# KiCad board q2v2.kicad_pcb (continued)
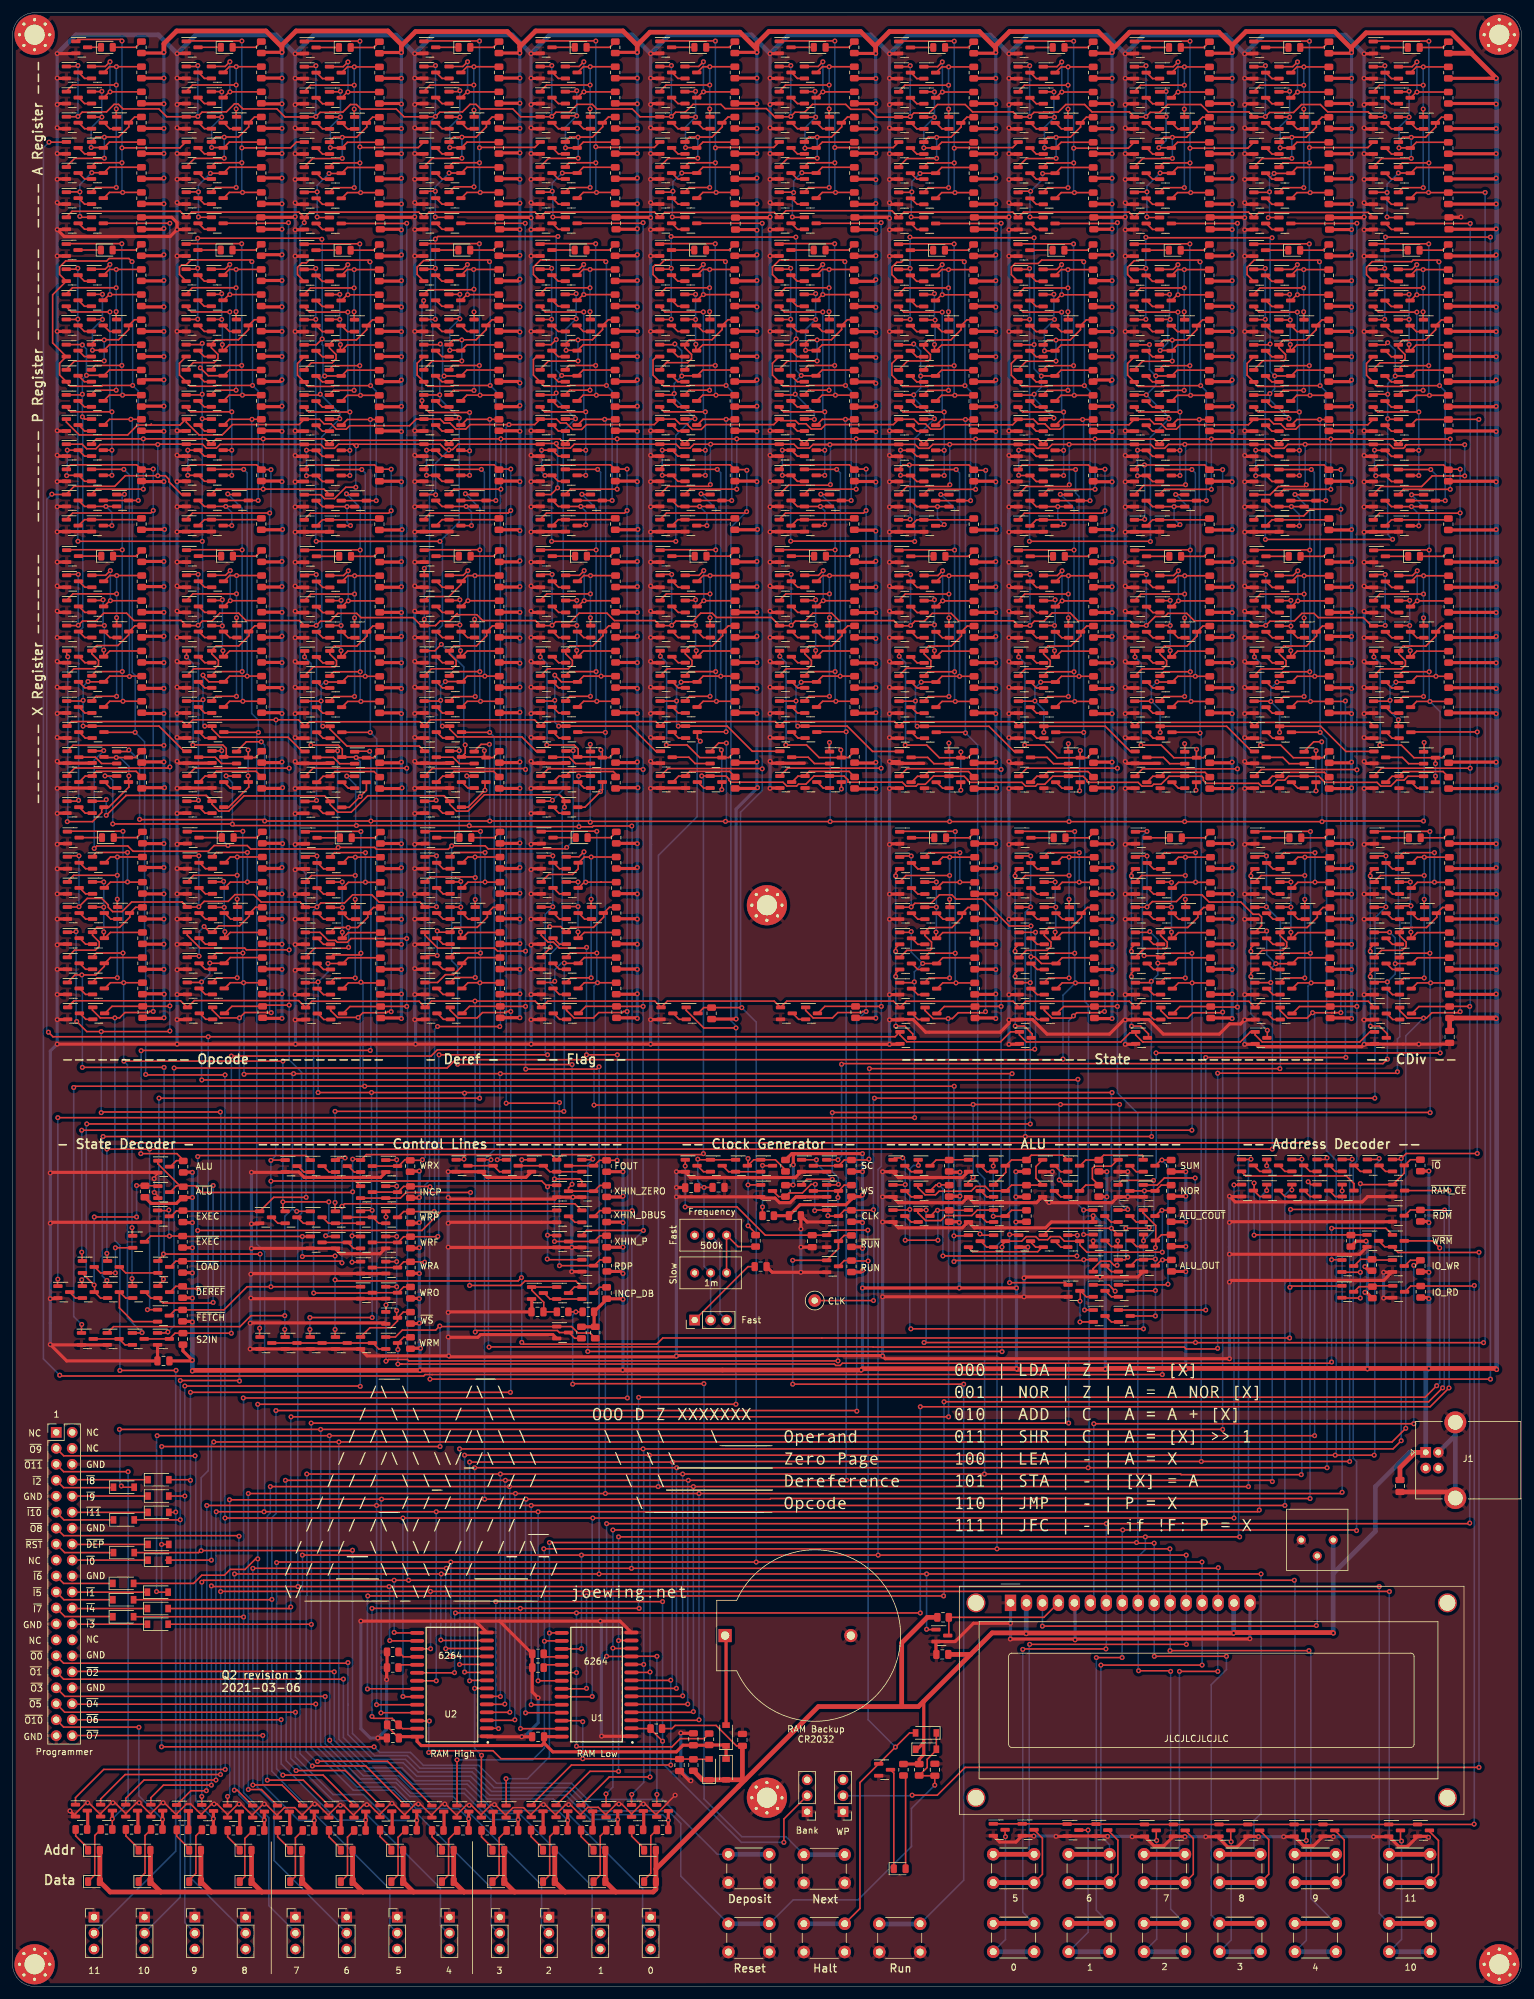
[diagram p0: board, top side]
## Routing (per net, layer and track width the routed paths; a pad name or vN(x,y) marks a point on that pad's centre or on a via; arc(x,y) is an arc through that point) (continued)
  Bottom w0.75: v1(210.1,56.23) 210.08,56.25 210.08,65.71 ; 210.08,65.71 RV3.3 ; 210.08,65.71 216.8,72.43 216.8,79.53 222.25,84.98 J1.1 224.8,97.83 v1(225.3,98.33) v1(225.3,109.43) ; v1(236,154) 236.08,154.07 ; v1(28.6,97.93) v1(28.6,99.63) v1(28.6,105.73) ; v1(194.25,56.23) 194.25,60.97 ; v1(236,303.6) 236.08,303.52 v1(236.08,98.15) ; 212.95,153.95 v1(213,154) ; v1(161.25,56.13) 161.25,60.99
/ALU/ALU_NOR: length 23.3
  Top w0.25: v1(177.1,120.63) 180.7,120.63 v1(180.8,120.73) ; v1(177.4,116.03) 177,115.63 Q502.1 ; R218.2 182.71,127.49 181.8,126.58 v1(180.05,126.58) 177.8,126.58
  Bottom w0.25: v1(177.1,120.63) 177.1,116.23 177.2,116.23 v1(177.4,116.03) ; 180,126.53 v1(180.05,126.58) 180.05,121.48 v1(180.8,120.73)
/ALU/ALU_SUM: length 31
  Top w0.25: 181.8,130.58 182.71,131.49 v1(182.84,131.49) R213.2 ; 175.85,111.63 183.7,111.63 v1(183.8,111.73)
  Bottom w0.25: v1(183.8,111.73) 183.8,130.53 v1(182.84,131.49)
/ALU/~{ALU_OUT}: length 33.1
  Top w0.25: 177.85,106.68 v1(181.8,106.68) ; v1(181.8,117.55) 181.85,117.6 181.85,118.68 ; 179.8,123.14 179.8,123.53 ; v1(181.8,110.73) 181.75,110.68 177.85,110.68 ; v1(181.8,115.73) 179.95,115.73 ; 181.85,118.68 182.76,119.59 R217.2 ; 181.85,118.68 181.85,121.09 ; Q494.1 179.86,123.04 181.85,121.05 ; 177.85,114.68 178.8,115.63 179.85,115.63
  Bottom w0.25: v1(181.8,117.55) v1(181.8,115.73) v1(181.8,110.73) v1(181.8,106.68)
/Bit 0/A Register/A DFF/~{Q}: length 20
  Top w0.25: R413.2 223.31,289.41 222.4,288.5 ; Q925.1 218.67,285.45 ; v1(218.65,281.53) 218.73,281.45 Q921.1 ; v1(220.45,288.53) 222.31,288.53
  Bottom w0.25: v1(218.65,281.53) 218.65,286.73 v1(220.45,288.53)
  vias: v1(218.65,285.43)
/Bit 0/AIN: length 55.1
  Top w0.25: v1(206.3,309.5) 206.27,309.52 197.48,309.52 ; v1(206.3,290.13) 202.09,290.13 201.4,289.45 ; 203.4,284.5 204.31,285.41 v1(206.41,285.41) R347.2 ; Q936.1 215.59,292.57 206.31,292.57 v1(206.3,292.58)
  Bottom w0.25: v1(206.41,285.41) 206.3,285.52 v1(206.3,290.13) v1(206.3,292.58) v1(206.3,309.5)
/Bit 0/P Register/P DFF/CLR: length 74.6
  Top w0.25: v1(227.9,236.4) 222.4,236.4 ; 216.38,255.29 217.11,254.57 221.09,254.57 221.22,254.7 v1(227,254.7) ; Q920.2 215.38,258.23 215.38,256.35 Q914.2 ; Q915.2 215.38,272.35 215.38,273.54 216.27,274.43 222.55,274.43 222.79,274.67 226.63,274.67 v1(226.9,274.4)
  Bottom w0.25: v1(226.9,274.4) 227,274.3 v1(227,254.7) 227.9,253.8 v1(227.9,236.4)
/Bit 0/P Register/P DFF/Q: length 44.5
  Top w0.25: 216.46,277.27 225.25,277.27 v1(225.28,277.24) ; 222.38,252.24 223.29,253.15 v1(225.39,253.15) R403.2 ; 220.38,257.19 221.07,257.88 v1(225.28,257.88)
  Bottom w0.25: v1(225.28,277.24) v1(225.28,257.88) 225.28,253.27 v1(225.39,253.15)
/Bit 0/P Register/P DFF/SET: length 43.7
  Top w0.25: v1(223.38,266.39) 217.28,266.39 216.38,267.29 ; 216.38,251.29 217.18,250.5 v1(223.7,250.5) ; 222.4,240.4 v1(223.7,240.4) ; v1(223.7,244.4) 222.4,244.4
  Bottom w0.25: v1(223.38,266.39) 223.38,250.81 v1(223.7,250.5) v1(223.7,244.4) v1(223.7,240.4)
/Bit 0/S Register/CLR: length 31.8
  Top w0.25: v1(215.98,160.69) 215.98,161.22 216.56,161.81 ; 216.56,165.81 215.98,165.22 v1(215.98,164.69) ; v1(216,152.8) 217.45,152.8 218.7,151.55 218.7,150.9 ; v1(215.98,176.69) 215.98,177.22 216.56,177.81
  Bottom w0.25: v1(216,152.8) 216,160.67 v1(215.98,160.69) v1(215.98,164.69) v1(215.98,176.69)
/Bit 0/X Register/X DFF/D: length 31.5
  Top w0.25: R417.2 227.44,195.5 226.4,195.5 ; v1(226.35,194.55) 226.34,194.56 Q939.3 222.93,195.5 220.93,197.5 v1(217.5,197.5) ; v1(216.55,211.53) 216.51,211.56 Q957.1 ; v1(226.35,192.57) 226.35,191.61
  Bottom w0.25: v1(217.5,197.5) 217.55,197.55 217.55,210.53 v1(216.55,211.53) ; v1(226.35,194.55) v1(226.35,192.57)
/Bit 0/~{P}: length 115.4
  Top w0.25: 222.38,256.24 223.29,257.15 R406.2 ; 197.38,265.19 199.23,265.19 v1(199.28,265.24) ; v1(218.75,261.53) 218.42,261.19 Q920.1 ; v1(199.3,230.23) 219.52,230.23 v1(219.53,230.24) 219.45,230.33 ; Q896.1 218.83,249.35 v1(218.75,249.43) ; v1(218.75,253.33) 216.58,253.33 ; 197.38,273.19 199.13,273.19 v1(199.28,273.34) ; v1(219.95,256.23) 219.96,256.24 Q912.3
  Bottom w0.25: 219,261.53 v1(218.75,261.53) 219.95,260.33 v1(219.95,256.23) 218.75,255.03 v1(218.75,249.43) 218.75,231.03 v1(219.53,230.24) ; v1(199.3,230.23) 199.28,230.25 v1(199.28,265.24) v1(199.28,273.34) 199.25,273.37
/Bit 0/~{XIN}: length 76.2
  Top w0.25: 203.45,207.54 204.36,208.45 v1(207.15,208.45) R359.2 ; 201.4,241.35 v1(206.6,241.35) ; Q943.1 212.1,196.5 208.1,200.5 Q821.1 201.56,199.54 v1(201.55,199.53) ; Q829.1 200.09,204.49 v1(200.15,204.43) ; v1(201.15,207.53) 203.38,207.53
  Bottom w0.25: v1(207.15,208.45) 207.08,208.52 207.08,240.87 v1(206.6,241.35) ; v1(201.55,199.53) 201.55,203.03 v1(200.15,204.43) 200.15,206.53 v1(201.15,207.53)
/Bit 1/A Register/A DFF/~{Q}: length 20.7
  Top w0.25: R350.2 204.31,289.41 203.4,288.5 ; Q804.1 199.77,281.45 v1(199.75,281.43) ; v1(199.95,285.53) 199.87,285.45 Q808.1 ; v1(200.68,288.46) 203.3,288.46
  Bottom w0.25: v1(200.68,288.46) 199.95,287.73 v1(199.95,285.53) 199.95,281.75 199.75,281.55 v1(199.75,281.43)
/Bit 1/AIN: length 55.2
  Top w0.25: v1(187.3,290.13) 183.09,290.13 182.4,289.45 ; R264.2 v1(187.41,285.41) 185.31,285.41 184.4,284.5 ; v1(187.3,309.5) 187.27,309.52 178.48,309.52 ; Q819.1 196.49,292.48 v1(187.3,292.48) 187.39,292.57
  Bottom w0.25: v1(187.41,285.41) 187.3,285.52 v1(187.3,290.13) v1(187.3,292.48) v1(187.3,309.5)
/Bit 1/P Register/P DFF/CLR: length 74.6
  Top w0.25: v1(208,254.7) 202.22,254.7 202.09,254.57 198.11,254.57 197.38,255.29 ; v1(208.9,236.4) 203.4,236.4 ; v1(207.9,274.4) 207.63,274.67 198.23,274.67 197.51,274.67 196.38,273.54 196.38,272.35 Q798.2 ; Q797.2 196.38,256.35 196.38,258.23 Q803.2
  Bottom w0.25: v1(208.9,236.4) 208.9,253.8 v1(208,254.7) 208,274.3 v1(207.9,274.4)
/Bit 1/P Register/P DFF/Q: length 44.5
  Top w0.25: R340.2 v1(206.39,253.15) 204.29,253.15 203.38,252.24 ; 201.38,257.19 202.07,257.88 v1(206.28,257.88) ; 197.46,277.27 206.25,277.27 v1(206.28,277.24)
  Bottom w0.25: v1(206.39,253.15) 206.28,253.27 v1(206.28,257.88) v1(206.28,277.24)
/Bit 1/P Register/P DFF/SET: length 43.7
  Top w0.25: 197.38,267.29 198.28,266.39 v1(204.38,266.39) ; 197.38,251.29 198.18,250.5 v1(204.7,250.5) ; 203.4,240.4 v1(204.7,240.4) ; v1(204.7,244.4) 203.4,244.4
  Bottom w0.25: v1(204.38,266.39) 204.38,250.81 v1(204.7,250.5) v1(204.7,244.4) v1(204.7,240.4)
/Bit 1/S Register/CLR: length 30.9
  Top w0.25: 197.56,161.81 196.98,161.22 v1(196.98,160.69) ; v1(196.98,176.69) 196.98,177.22 197.56,177.81 ; v1(196.98,164.69) 196.98,165.22 197.56,165.81 ; v1(199.6,152.13) 199.6,150.93
  Bottom w0.25: 197,160.67 v1(196.98,160.69) ; v1(196.98,160.69) v1(196.98,164.69) v1(196.98,176.69) ; v1(196.98,160.69) 196.98,154.75 v1(199.6,152.13)
/Bit 1/X Register/X DFF/D: length 36.5
  Top w0.25: 207.4,195.5 208.44,195.5 R354.2 ; v1(207.35,190.23) 207.35,191.58 ; Q840.1 197.51,211.56 v1(197.55,211.53) ; v1(207.35,196.63) 207.34,196.61 Q822.3 203.73,195.5 201.73,197.5 v1(198.5,197.5)
  Bottom w0.25: v1(198.5,197.5) 198.55,197.55 198.55,210.53 v1(197.55,211.53) ; v1(207.35,196.63) v1(207.35,190.23)
/Bit 1/~{P}: length 83.9
  Top w0.25: R343.2 204.29,257.15 203.38,256.24 ; 178.38,265.19 180.23,265.19 v1(180.28,265.24) ; v1(180.28,273.34) 180.13,273.19 178.38,273.19 ; v1(200.05,261.33) 199.91,261.19 Q803.1 ; v1(203.05,249.43) 201.54,249.43 ; v1(200,253.43) 199.77,253.19 Q792.1 ; 200.66,256.23 200.67,256.24 v1(200.76,256.24) Q795.3 ; v1(180.28,278.3) 180.35,278.23 v1(200.35,278.23) 200.25,278.33
  Bottom w0.25: v1(180.28,265.24) v1(180.28,273.34) v1(180.28,278.3) 180.25,278.33 ; v1(200.35,278.23) 200.05,277.93 v1(200.05,261.33) 200.05,256.96 v1(200.76,256.24) 200.76,254.19 v1(200,253.43) 200,252.47 v1(203.05,249.43)
/Bit 1/~{XIN}: length 76
  Top w0.25: R276.2 v1(188.15,208.45) 185.36,208.45 184.45,207.54 ; 182.4,241.35 v1(187.6,241.35) ; 197.13,196.5 193.13,200.5 Q641.1 182.56,199.54 v1(182.55,199.53) ; Q649.1 181.11,204.49 v1(181.15,204.53) ; Q652.3 182.11,207.54 v1(182.06,207.59)
  Bottom w0.25: 188.08,208.52 v1(188.15,208.45) 188.15,240.8 v1(187.6,241.35) ; v1(182.06,207.59) 181.15,206.68 v1(181.15,204.53) 182.55,203.13 v1(182.55,199.53)
/Bit 2/A Register/A DFF/~{Q}: length 20
  Top w0.25: 184.4,288.5 185.31,289.41 R267.2 ; Q624.1 180.53,281.45 v1(180.45,281.53) ; v1(180.45,285.53) 178.54,285.53 ; v1(182.55,288.53) 184.31,288.53
  Bottom w0.25: v1(182.55,288.53) 180.45,286.43 v1(180.45,285.53) v1(180.45,281.53)
/Bit 2/AIN: length 54.7
  Top w0.25: R183.2 v1(168.91,285.41) 166.81,285.41 165.9,284.5 ; v1(168.8,290.13) 164.59,290.13 163.9,289.45 ; 159.98,309.52 168.77,309.52 v1(168.8,309.5) ; Q639.1 177.49,292.48 v1(168.8,292.48) 168.89,292.57
  Bottom w0.25: v1(168.91,285.41) 168.8,285.52 v1(168.8,290.13) v1(168.8,292.48) v1(168.8,309.5)
/Bit 2/P Register/P DFF/CLR: length 74.6
  Top w0.25: v1(189,254.7) 183.22,254.7 183.09,254.57 179.11,254.57 178.38,255.29 ; 184.4,236.4 v1(189.9,236.4) ; v1(188.9,274.4) 188.63,274.67 179.23,274.67 179.13,274.57 178.41,274.57 177.38,273.54 177.38,272.35 Q618.2 ; Q623.2 177.38,258.23 177.38,256.35 Q617.2
  Bottom w0.25: v1(189.9,236.4) 189.9,253.8 v1(189,254.7) 189,274.3 v1(188.9,274.4)
/Bit 2/P Register/P DFF/Q: length 44.5
  Top w0.25: v1(187.28,257.88) 183.07,257.88 182.38,257.19 ; R257.2 v1(187.39,253.15) 185.29,253.15 184.38,252.24 ; 178.46,277.27 187.25,277.27 v1(187.28,277.24)
  Bottom w0.25: v1(187.39,253.15) 187.28,253.27 v1(187.28,257.88) v1(187.28,277.24)
/Bit 2/P Register/P DFF/SET: length 43.7
  Top w0.25: 184.4,240.4 v1(185.7,240.4) ; v1(185.7,244.4) 184.4,244.4 ; v1(185.7,250.5) 179.18,250.5 178.38,251.29 ; 178.38,267.29 179.28,266.39 v1(185.38,266.39)
  Bottom w0.25: v1(185.7,240.4) v1(185.7,244.4) v1(185.7,250.5) 185.38,250.81 v1(185.38,266.39)
/Bit 2/S Register/CLR: length 31.8
  Top w0.25: v1(177.98,160.69) 177.98,161.22 178.56,161.81 ; v1(178,152.8) 179.45,152.8 180.7,151.55 180.7,150.9 ; v1(177.98,164.69) 177.98,165.22 178.56,165.81 ; v1(177.98,176.69) 177.98,177.22 178.56,177.81
  Bottom w0.25: v1(178,152.8) 178,160.67 v1(177.98,160.69) v1(177.98,164.69) v1(177.98,176.69)
/Bit 2/X Register/X DFF/D: length 36.6
  Top w0.25: R271.2 189.44,195.5 188.4,195.5 ; v1(179.5,197.5) 182.73,197.5 184.73,195.5 Q642.3 188.34,196.81 v1(188.35,196.83) ; v1(178.55,211.53) 178.51,211.56 Q660.1 ; v1(188.25,190.33) 188.25,191.51
  Bottom w0.25: v1(179.5,197.5) 179.55,197.55 179.55,210.53 v1(178.55,211.53) ; v1(188.25,190.33) 188.25,196.73 v1(188.35,196.83)
/Bit 2/XOUT: length 55.7
  Top w0.25: 178.53,228.56 187.32,228.56 v1(187.35,228.54) ; 184.45,203.54 185.36,204.45 v1(187.46,204.45) R273.2 ; 182.45,208.49 183.14,209.17 v1(187.35,209.17) ; v1(185.02,237.37) 185.05,237.35 186.4,237.35
  Bottom w0.25: v1(187.46,204.45) 187.35,204.56 v1(187.35,209.17) v1(187.35,228.54) 187.35,235.08 187.32,235.08 v1(185.02,237.37)
/Bit 2/~{P}: length 116.4
  Top w0.25: 184.38,256.24 185.29,257.15 R260.2 ; v1(161.78,265.24) 161.73,265.19 159.88,265.19 ; 181.67,256.24 v1(181.87,256.24) Q615.3 ; v1(180.85,261.23) 180.81,261.19 Q623.1 ; v1(181,229.9) 180.97,229.93 v1(161.75,229.93) ; v1(161.78,273.34) 161.63,273.19 159.88,273.19 ; v1(183.95,249.43) 182.54,249.43 ; v1(180.35,253.23) 178.48,253.23
  Bottom w0.25: v1(161.78,273.34) v1(161.78,265.24) 161.78,229.96 v1(161.75,229.93) ; v1(180.85,261.23) 180.85,257.26 v1(181.87,256.24) 181.87,254.74 v1(180.35,253.23) 183.95,249.63 v1(183.95,249.43) 181,246.48 v1(181,229.9)
/Bit 2/~{XIN}: length 75.9
  Top w0.25: 163.9,241.35 v1(169.1,241.35) ; R195.2 v1(169.65,208.45) 166.86,208.45 165.95,207.54 ; Q646.1 177.83,196.5 173.83,200.5 Q442.1 164.06,199.54 v1(164.05,199.53) ; Q450.1 162.59,204.49 v1(162.62,204.53) ; Q453.3 163.56,207.54 v1(163.55,207.53)
  Bottom w0.25: 169.58,208.52 v1(169.65,208.45) 169.65,237.07 169.1,237.62 v1(169.1,241.35) ; v1(164.05,199.53) 164.05,203.1 v1(162.62,204.53) 162.62,206.6 v1(163.55,207.53)
/Bit 3/A Register/A DFF/~{Q}: length 20.3
  Top w0.25: 165.9,288.5 166.81,289.41 R186.2 ; v1(163.85,288.45) 165.79,288.45 ; v1(161.95,285.63) 160.14,285.63 Q429.1 ; v1(161.85,281.53) 161.93,281.45 Q425.1
  Bottom w0.25: v1(161.85,281.53) 161.85,285.53 v1(161.95,285.63) 163.85,287.53 v1(163.85,288.45)
/Bit 3/AIN: length 55.1
  Top w0.25: 144.9,289.45 145.59,290.13 v1(149.8,290.13) ; v1(149.8,309.5) 149.77,309.52 140.98,309.52 ; 146.9,284.5 147.81,285.41 v1(149.91,285.41) R105.2 ; v1(149.8,292.48) 149.89,292.57 159.09,292.57 Q440.1
  Bottom w0.25: v1(149.91,285.41) 149.8,285.52 v1(149.8,290.13) v1(149.8,292.48) v1(149.8,309.5)
/Bit 3/P Register/P DFF/CLR: length 74.6
  Top w0.25: 159.88,255.29 160.61,254.57 164.59,254.57 164.72,254.7 v1(170.5,254.7) ; 165.9,236.4 v1(171.4,236.4) ; Q418.2 158.88,256.35 158.88,258.23 Q424.2 ; v1(170.4,274.4) 170.13,274.67 163.69,274.67 163.15,274.13 159.47,274.13 158.88,273.54 158.88,272.35 Q419.2
  Bottom w0.25: v1(171.4,236.4) 171.4,253.8 v1(170.5,254.7) 170.5,274.3 v1(170.4,274.4)
/Bit 3/P Register/P DFF/Q: length 44.5
  Top w0.25: 159.96,277.27 168.75,277.27 v1(168.78,277.24) ; R176.2 v1(168.89,253.15) 166.79,253.15 165.88,252.24 ; v1(168.78,257.88) 164.57,257.88 163.88,257.19
  Bottom w0.25: v1(168.78,277.24) v1(168.78,257.88) 168.78,253.27 v1(168.89,253.15)
/Bit 3/P Register/P DFF/SET: length 43.7
  Top w0.25: 159.88,267.29 160.78,266.39 v1(166.88,266.39) ; v1(167.2,250.5) 160.68,250.5 159.88,251.29 ; v1(167.2,244.4) 165.9,244.4 ; 165.9,240.4 v1(167.2,240.4)
  Bottom w0.25: v1(166.88,266.39) 166.88,250.81 v1(167.2,250.5) v1(167.2,244.4) v1(167.2,240.4)
/Bit 3/S Register/CLR: length 31.8
  Top w0.25: v1(159.48,164.69) 159.48,165.22 160.06,165.81 ; v1(159.48,160.69) 159.48,161.22 160.06,161.81 ; 162.2,150.9 162.2,151.55 160.95,152.8 v1(159.5,152.8) ; 160.06,177.81 159.48,177.22 v1(159.48,176.69)
  Bottom w0.25: v1(159.48,176.69) v1(159.48,164.69) v1(159.48,160.69) 159.5,160.67 v1(159.5,152.8)
/Bit 3/X Register/X DFF/D: length 36.4
  Top w0.25: 169.9,195.5 170.94,195.5 R190.2 ; Q461.1 160.01,211.56 v1(160.05,211.53) ; v1(169.85,196.63) 169.84,196.61 Q443.3 166.17,195.5 164.17,197.5 v1(161,197.5) ; v1(169.75,190.23) 169.75,191.51
  Bottom w0.25: v1(161,197.5) 161.05,197.55 161.05,210.53 v1(160.05,211.53) ; v1(169.85,196.63) 169.75,196.53 v1(169.75,190.23)
/Bit 3/XOUT: length 55.5
  Top w0.25: v1(168.85,209.17) 164.64,209.17 163.95,208.49 ; 165.95,203.54 166.86,204.45 v1(168.96,204.45) R192.2 ; v1(168.85,228.54) 168.82,228.56 160.03,228.56 ; v1(166.67,237.4) 166.72,237.35 167.9,237.35
  Bottom w0.25: v1(168.96,204.45) 168.85,204.56 v1(168.85,209.17) v1(168.85,228.54) 168.85,235.22 v1(166.67,237.4)
/Bit 3/~{P}: length 83.2
  Top w0.25: 165.88,256.24 166.79,257.15 R179.2 ; 140.88,265.19 142.73,265.19 v1(142.78,265.24) ; v1(165.65,249.53) 164.14,249.53 Q400.1 ; Q413.1 162.37,253.19 v1(162.5,253.33) ; v1(162.5,278.23) 142.85,278.23 v1(142.75,278.33) ; 140.88,273.19 142.63,273.19 v1(142.78,273.34) ; Q416.3 163.66,256.24 v1(163.65,256.23) ; Q424.1 162.47,261.19 v1(162.5,261.23)
  Bottom w0.25: v1(142.78,265.24) v1(142.78,273.34) 142.78,278.3 v1(142.75,278.33) ; v1(165.65,249.53) 162.5,252.67 v1(162.5,253.33) 163.65,254.47 v1(163.65,256.23) 162.5,257.37 v1(162.5,261.23) 162.5,278.22 v1(162.5,278.23)
/Bit 3/~{XIN}: length 75.1
  Top w0.25: 144.9,241.35 v1(150.1,241.35) ; R117.2 v1(150.65,208.45) 147.86,208.45 146.95,207.54 ; v1(143.9,200.5) 155.33,200.5 159.33,196.5 Q447.1 ; Q280.3 144.56,207.54 v1(144.55,207.53) ; v1(143.62,204.53) 143.59,204.49 Q277.1
  Bottom w0.25: 150.58,208.52 v1(150.65,208.45) 150.65,240.8 v1(150.1,241.35) ; v1(144.55,207.53) 143.62,206.6 v1(143.62,204.53) 143.62,200.77 v1(143.9,200.5)
/Bit 4/A Register/A DFF/~{Q}: length 20.6
  Top w0.25: 146.9,288.5 147.81,289.41 R108.2 ; Q259.3 144.4,288.5 v1(144.35,288.44) ; v1(143.05,285.53) 142.97,285.45 Q256.1 ; Q252.1 143.03,281.45 v1(142.95,281.53)
  Bottom w0.25: v1(142.95,281.53) 142.95,285.43 v1(143.05,285.53) 143.05,287.15 v1(144.35,288.44)
/Bit 4/AIN: length 55.1
  Top w0.25: 125.9,289.47 126.59,290.16 v1(130.8,290.16) ; 121.98,309.55 130.77,309.55 v1(130.8,309.52) ; R462.2 v1(130.91,285.43) 128.81,285.43 127.9,284.52 ; Q267.1 140.09,292.58 v1(130.8,292.58) 130.82,292.6
  Bottom w0.25: v1(130.91,285.43) 130.8,285.55 v1(130.8,290.16) v1(130.8,292.58) v1(130.8,309.52)
/Bit 4/P Register/P DFF/CLR: length 74.6
  Top w0.25: 140.88,255.29 141.61,254.57 145.59,254.57 145.72,254.7 v1(151.5,254.7) ; v1(152.4,236.4) 146.9,236.4 ; v1(151.4,274.4) 151.13,274.67 141.73,274.67 141.39,274.33 140.67,274.33 139.88,273.54 139.88,272.35 Q246.2 ; Q251.2 139.88,258.23 139.88,256.35 Q245.2
  Bottom w0.25: v1(151.4,274.4) 151.5,274.3 v1(151.5,254.7) 152.4,253.8 v1(152.4,236.4)
/Bit 4/P Register/P DFF/Q: length 44.5
  Top w0.25: 144.88,257.19 145.57,257.88 v1(149.78,257.88) ; 140.96,277.27 149.75,277.27 v1(149.78,277.24) ; 146.88,252.24 147.79,253.15 v1(149.89,253.15) R98.2
  Bottom w0.25: v1(149.78,277.24) v1(149.78,257.88) 149.78,253.27 v1(149.89,253.15)
/Bit 4/P Register/P DFF/SET: length 43.7
  Top w0.25: 146.9,240.4 v1(148.2,240.4) ; v1(147.88,266.39) 141.78,266.39 140.88,267.29 ; v1(148.2,244.4) 146.9,244.4 ; v1(148.2,250.5) 141.68,250.5 140.88,251.29
  Bottom w0.25: v1(148.2,240.4) v1(148.2,244.4) v1(148.2,250.5) 147.88,250.81 v1(147.88,266.39)
/Bit 4/S Register/CLR: length 31.8
  Top w0.25: 141.06,165.81 140.48,165.22 v1(140.48,164.69) ; 143.2,150.9 143.2,151.55 141.95,152.8 v1(140.5,152.8) ; v1(140.48,176.69) 140.48,177.22 141.06,177.81 ; 141.06,161.81 140.48,161.22 v1(140.48,160.69)
  Bottom w0.25: v1(140.48,176.69) v1(140.48,164.69) v1(140.48,160.69) 140.5,160.67 v1(140.5,152.8)
/Bit 4/SOUT: length 44.5
  Top w0.25: v1(149.96,164.39) 145.75,164.39 145.06,163.71 ; 141.14,183.78 149.93,183.78 v1(149.96,183.76) ; R121.2 v1(150.07,159.67) 147.97,159.67 147.06,158.76
  Bottom w0.25: v1(150.07,159.67) 149.96,159.78 v1(149.96,164.39) v1(149.96,183.76)
/Bit 4/X Register/X DFF/D: length 35.9
  Top w0.25: 150.9,195.5 151.94,195.5 R112.2 ; v1(141.05,211.63) 141.01,211.66 Q288.1 ; v1(142,197.5) 145.43,197.5 147.43,195.5 Q270.3 150.84,196.41 v1(150.85,196.43) ; v1(150.85,190.33) 150.85,191.58
  Bottom w0.25: v1(142,197.5) 142.05,197.55 142.05,210.63 v1(141.05,211.63) ; v1(150.85,190.33) v1(150.85,196.43)
/Bit 4/XOUT: length 55.5
  Top w0.25: 144.95,208.49 145.64,209.17 v1(149.85,209.17) ; 146.95,203.54 147.86,204.45 v1(149.96,204.45) R114.2 ; 141.03,228.56 149.82,228.56 v1(149.85,228.54) ; 148.9,237.35 147.68,237.35 v1(147.66,237.37)
  Bottom w0.25: v1(149.96,204.45) 149.85,204.56 v1(149.85,209.17) v1(149.85,228.54) 149.85,235.18 v1(147.66,237.37)
/Bit 4/~{P}: length 118.6
  Top w0.25: v1(123.78,265.27) 123.73,265.22 121.88,265.22 ; 146.88,256.24 147.79,257.15 R101.2 ; v1(144.45,256.23) 144.47,256.24 Q243.3 ; Q227.1 146.57,249.35 v1(146.65,249.43) ; v1(123.78,273.37) 123.63,273.22 121.88,273.22 ; v1(143.35,261.33) 143.22,261.19 Q251.1 ; Q240.1 141.78,253.19 ; 141.78,253.19 141.82,253.23 v1(143.35,253.23) ; 141.78,253.19 142.91,253.19 ; v1(143.5,229.9) 143.44,229.96 v1(123.78,229.96)
  Bottom w0.25: v1(123.78,273.37) v1(123.78,265.27) v1(123.78,229.96) 123.75,229.93 ; v1(143.5,229.9) 143.5,246.28 v1(146.65,249.43) 143.35,252.73 v1(143.35,253.23) 144.45,254.33 v1(144.45,256.23) 144.45,260.23 v1(143.35,261.33)
/Bit 4/~{XIN}: length 75.1
  Top w0.25: R474.2 v1(131.65,208.47) 128.86,208.47 127.95,207.56 ; 125.9,241.37 131.1,241.37 ; v1(124.9,200.52) 126,200.52 ; v1(125.45,207.51) 125.5,207.56 Q1066.3 ; Q274.1 136.8,196.5 132.78,200.52 126.06,200.52 ; Q1063.1 124.61,204.51 v1(124.62,204.53)
  Bottom w0.25: 131.58,208.55 v1(131.65,208.47) 131.69,208.51 131.69,240.78 v1(131.1,241.37) ; v1(125.45,207.51) 124.62,206.69 v1(124.62,204.53) 124.62,200.8 v1(124.9,200.52)
/Bit 5/A Register (5)/A DFF/~{Q}: length 20.8
  Top w0.25: R465.2 128.81,289.43 127.9,288.52 ; v1(125.56,288.57) 125.61,288.52 Q1045.3 ; 121.96,285.47 124.21,285.47 v1(124.25,285.43) ; v1(124.05,281.53) 124.1,281.47 125.96,281.47
  Bottom w0.25: v1(124.05,281.53) 124.05,285.23 v1(124.25,285.43) ; v1(125.56,288.57) 124.25,287.26 v1(124.25,285.43) ; v1(124.25,285.43) 124.45,285.43
/Bit 5/AIN: length 55.1
  Top w0.25: R437.2 v1(111.91,285.43) 109.81,285.43 108.9,284.52 ; 106.9,289.47 107.59,290.16 v1(111.8,290.16) ; v1(111.8,309.52) 111.77,309.55 102.98,309.55 ; v1(111.8,292.53) 111.87,292.6 121.09,292.6 Q1053.1
  Bottom w0.25: v1(111.91,285.43) 111.8,285.55 v1(111.8,290.16) v1(111.8,292.53) v1(111.8,309.52)
/Bit 5/P Register (5)/P DFF/CLR: length 74.6
  Top w0.25: 127.9,236.42 v1(133.4,236.42) ; v1(132.5,254.72) 126.72,254.72 126.59,254.59 122.61,254.59 121.88,255.32 ; Q1037.2 120.88,258.25 120.88,256.38 Q1031.2 ; Q1032.2 120.88,272.38 120.88,273.56 122.01,274.69 122.73,274.69 122.73,274.69 132.13,274.69 v1(132.4,274.42)
  Bottom w0.25: v1(133.4,236.42) 133.4,253.82 v1(132.5,254.72) 132.5,274.32 v1(132.4,274.42)
/Bit 5/P Register (5)/P DFF/Q: length 44.5
  Top w0.25: v1(130.78,257.9) 126.57,257.9 125.88,257.22 ; 121.96,277.29 130.75,277.29 v1(130.78,277.27) ; R455.2 v1(130.89,253.18) 128.79,253.18 127.88,252.27
  Bottom w0.25: v1(130.89,253.18) 130.78,253.29 v1(130.78,257.9) v1(130.78,277.27)
